# Altium PCB RockerBox_1_SiC780A_Rev02.PcbDoc (part 2 of 4)
Units mm, origin at the board's own origin, x right, y up, seen from the top; angles counter-clockwise.
Board outline 100 x 100 mm, 4 copper layers (L1, L2, L3, L4), stack 1.577 mm thick; 392 components, 96 nets, 1494 pads, 1617 vias.
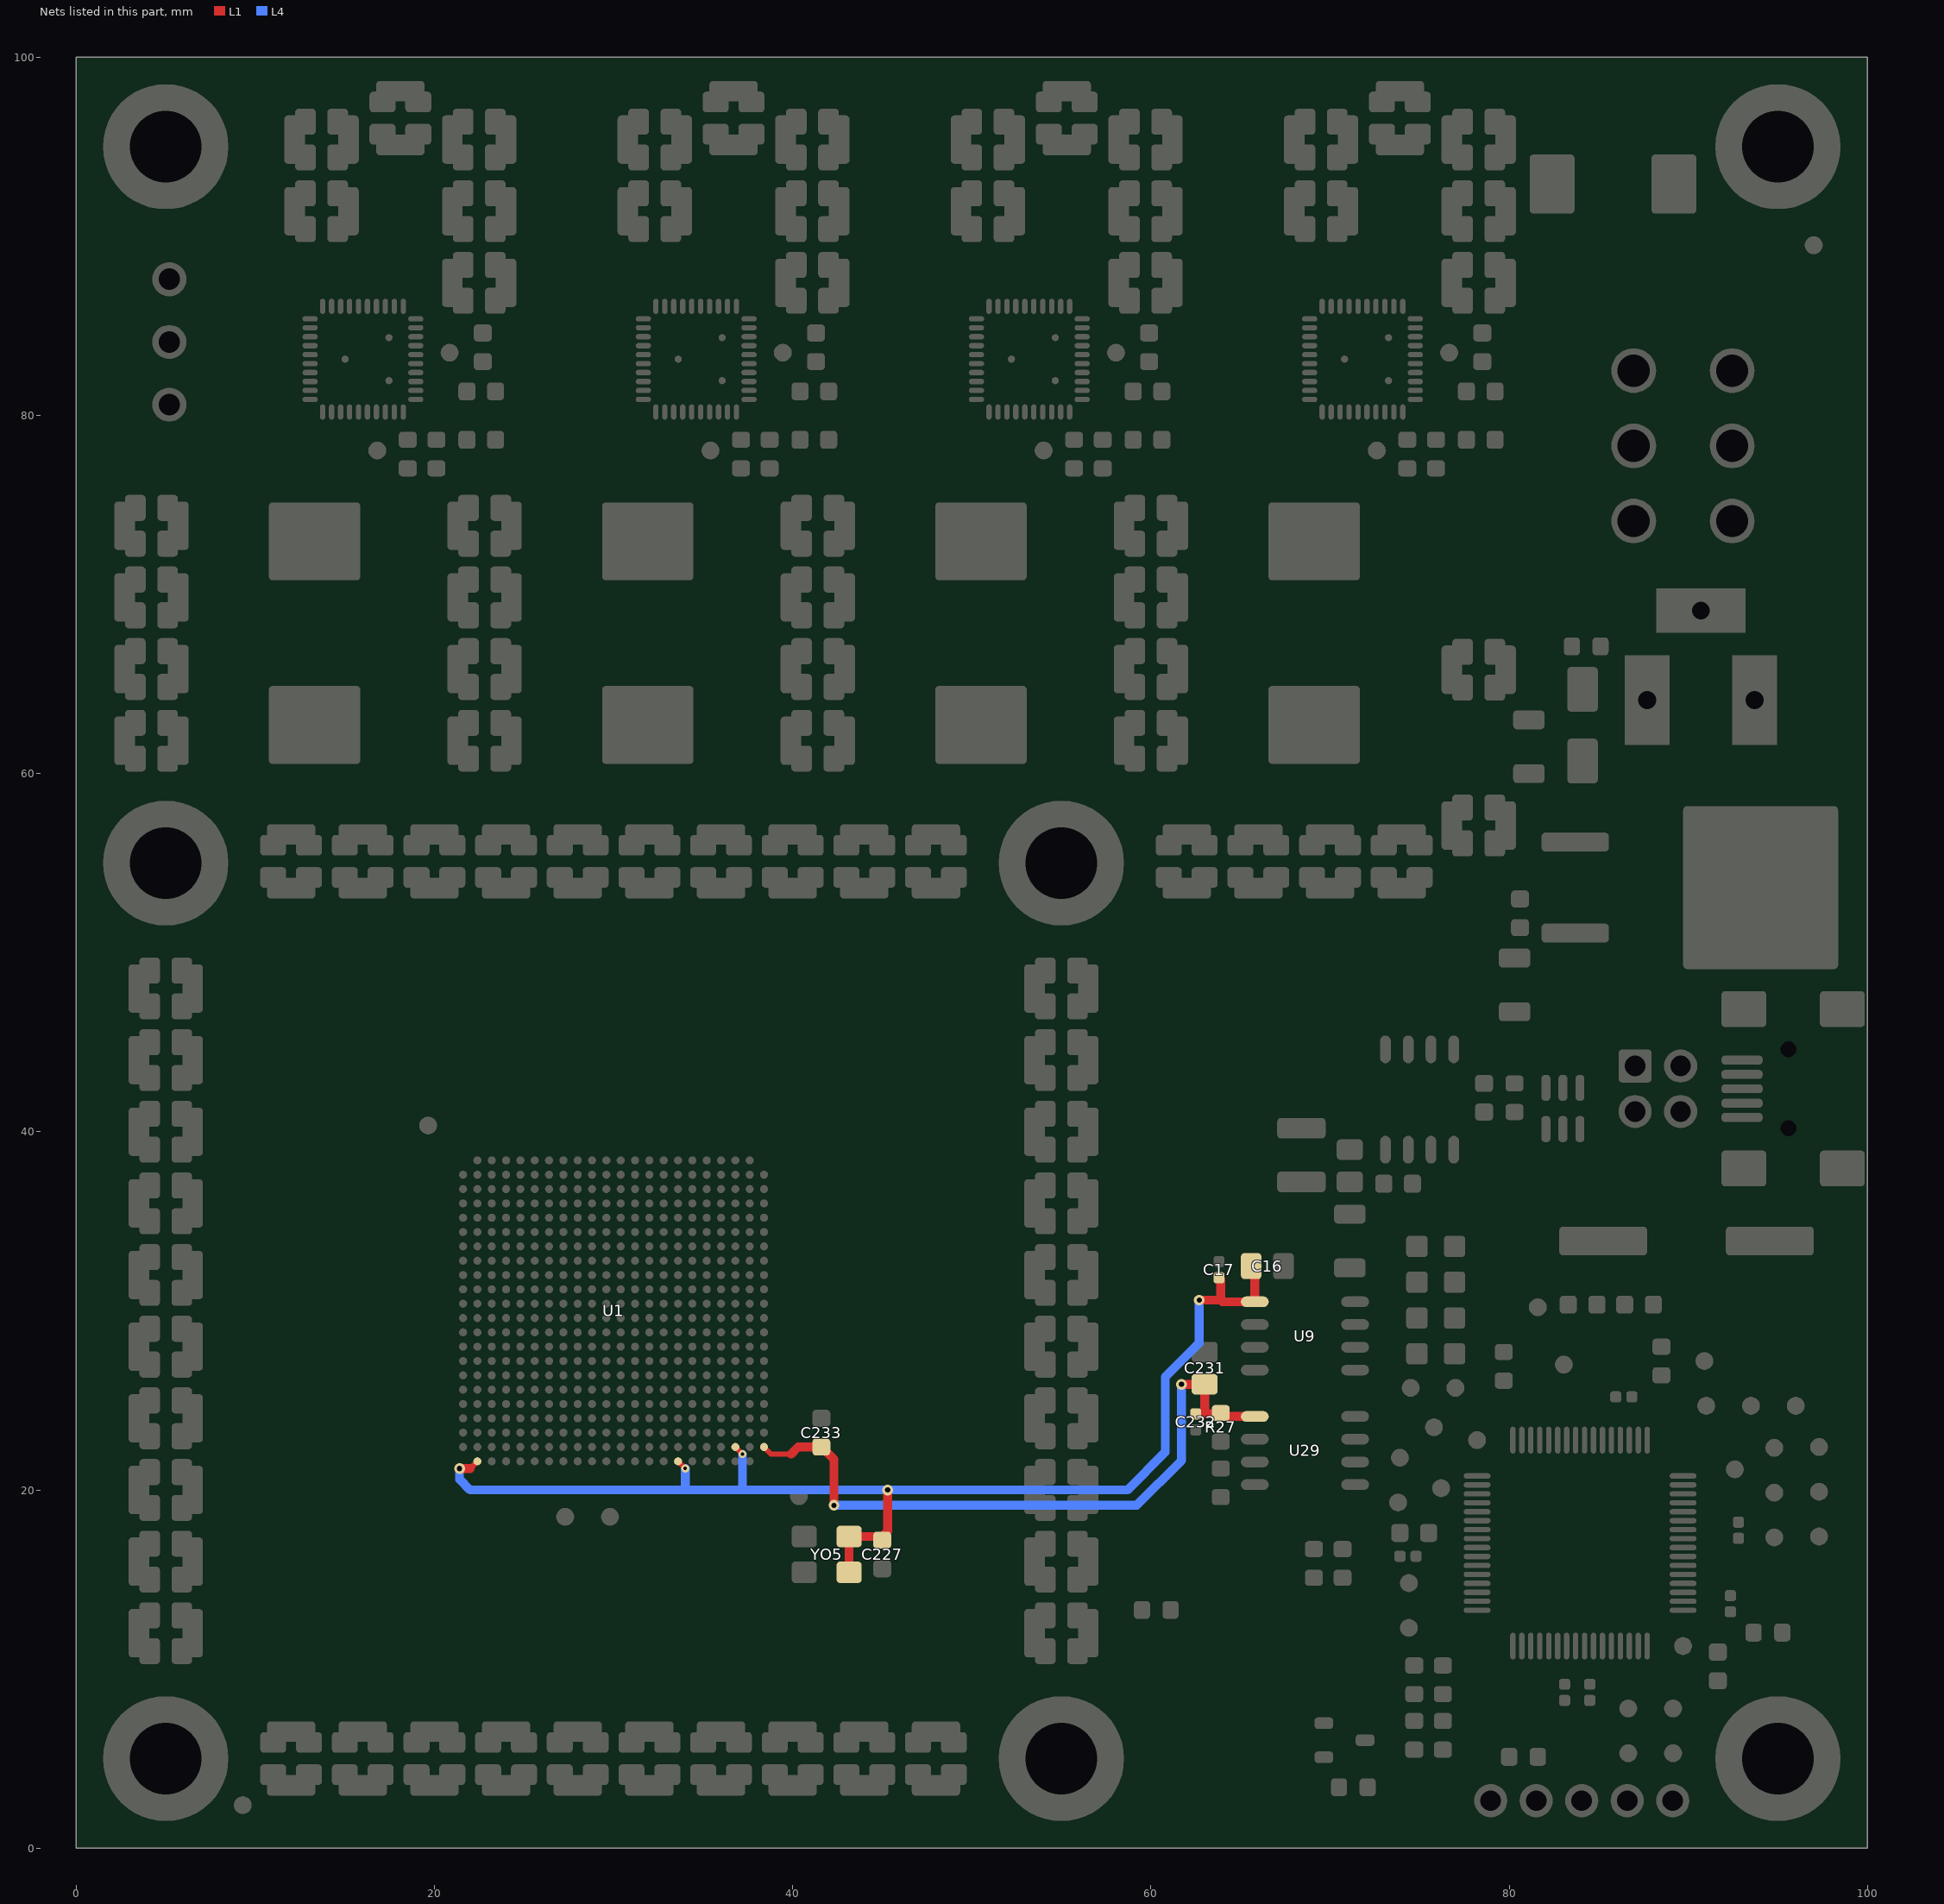
[diagram p4: the nets of this part, all layers, seen from the top]

## Components (designator, comment, footprint, x,y, rotation, side; value= is the part's Value field where it differs from the comment) (continued)
L7 "DB_VALUE" SMT_INDM135130X800N 69.111,67.84 r270 top
L10 "DB_VALUE" SMT_INDM135130X800N 13.311,67.84 r270 top
L14 "DB_VALUE" SMT_INDM135130X800N 31.911,67.84 r270 top
Q51 "BSS138" SMD_SOT23_SOT95P240X112-3N 70.806,6.028 r0 top
R1 "10k" SMD_0603_RESC1608X55N 80.8,5.1 r0 top
R2 "10k" SMD_0603_RESC1608X55N 18.511,77.84 r270 top
R3 "100R" SMD_0603_RESC1608X55N 20.111,77.84 r90 top
R4 "10k" SMD_0603_RESC1608X55N 84.3,67.1 r180 top
R5 "2.4k" SMD_0603_RESC1608X55N 94.446,12.036 r180 top
R6 "10k" SMD_0603_RESC1608X55N 60.3,13.3 r180 top
R7 "1k" SMD_0603_RESC1608X55N 76.3,6.3 r270 top
R8 "1k" SMD_0603_RESC1608X55N 74.7,6.3 r270 top
R9 "10k" SMD_0603_RESC1608X55N 79.7,26.9 r90 top
R10 "R" SMD_0603_RESC1608X55N 88.5,27.2 r90 top
R11 "0R" SMD_0603_RESC1608X55N 80.3,41.9 r270 top
R12 "2R" SMD_1206_RESC3216X65N 80.3,48.2 r270 top
R13 "100R" SMD_1206_RESC3216X65N 81.1,61.5 r90 top
R14 "0R" SMD_1206_RESC3216X65N 71.1,33.9 r90 top
R15 "10k" SMD_0603_RESC1608X55N 55.711,77.84 r270 top
R16 "100R" SMD_0603_RESC1608X55N 57.311,77.84 r90 top
R17 "10k" SMD_0603_RESC1608X55N 37.111,77.84 r270 top
R18 "1k" SMD_0603_RESC1608X55N 71.3,3.4 r0 top
R19 "100R" SMD_0603_RESC1608X55N 38.711,77.84 r90 top
R20 "1k" SMD_0603_RESC1608X55N 76.3,9.4 r90 top
R21 "1k" SMD_0603_RESC1608X55N 70.7,15.9 r270 top
R22 "1k" SMD_0603_RESC1608X55N 74.7,9.4 r90 top
R23 "10k" SMD_0603_RESC1608X55N 74.311,77.84 r270 top
R24 "100R" SMD_0603_RESC1608X55N 75.911,77.84 r90 top
R27 "2k" SMD_0603_RESC1608X55N 63.9,23.5 r270 top
R28 "10k" SMD_0603_RESC1608X55N 63.9,20.4 r270 top
R29 "1k" SMD_0603_RESC1608X55N 69.1,15.9 r270 top
TP1 "100_254" SMD_TP_100-254 29.8,18.5 r0 top
TP2 "100_254" SMD_TP_100-254 97.3,22.4 r180 top
TP3 "100_254" SMD_TP_100-254 86.65,5.3 r0 top
TP4 "100_254" SMD_TP_100-254 20.85,83.5 r180 top
TP5 "100_254" SMD_TP_100-254 86.65,7.8 r0 top
TP6 "100_254" SMD_TP_100-254 89.15,5.3 r0 top
TP7 "100_254" SMD_TP_100-254 89.15,7.8 r0 top
TP8 "100_254" SMD_TP_100-254 58.05,83.5 r180 top
TP9 "100_254" SMD_TP_100-254 16.811,78.04 r0 top
TP10 "100_254" SMD_TP_100-254 97.3,17.4 r0 top
TP11 "100_254" SMD_TP_100-254 94.8,17.35 r0 top
TP12 "100_254" SMD_TP_100-254 81.6,30.2 r180 top
TP13 "100_254" SMD_TP_100-254 83.05,27 r180 top
TP14 "100_254" SMD_TP_100-254 27.3,18.5 r0 top
TP15 "100_254" SMD_TP_100-254 54.011,78.04 r0 top
TP16 "100_254" SMD_TP_100-254 39.45,83.5 r180 top
TP17 "100_254" SMD_TP_100-254 76.65,83.5 r180 top
TP18 "100_254" SMD_TP_100-254 73.8,19.3 r0 top
TP19 "100_254" SMD_TP_100-254 76.2,20.1 r0 top
TP20 "100_254" SMD_TP_100-254 77,25.7 r0 top
TP21 "100_254" SMD_TP_100-254 90.9,27.2 r180 top
TP22 "100_254" SMD_TP_100-254 74.5,25.7 r180 top
TP23 "100_254" SMD_TP_100-254 75.8,23.5 r180 top
TP25 "100_254" SMD_TP_100-254 73.9,21.8 r0 top
TP26 "100_254" SMD_TP_100-254 35.411,78.04 r0 top
TP27 "100_254" SMD_TP_100-254 72.611,78.04 r0 top
TP123 "100_254" SMD_TP_100-254 94.8,22.35 r0 top
TP124 "100_254" SMD_TP_100-254 92.6,21.15 r0 top
TP125 "100_254" SMD_TP_100-254 96,24.7 r0 top
TP126 "100_254" SMD_TP_100-254 93.5,24.7 r0 top
TP127 "100_254" SMD_TP_100-254 91,24.7 r0 top
TP128 "100_254" SMD_TP_100-254 74.4,12.3 r0 top
TP129 "100_254" SMD_TP_100-254 74.4,14.8 r0 top
TP131 "100_254" SMD_TP_100-254 97.3,19.9 r0 top
TP132 "100_254" SMD_TP_100-254 94.8,19.85 r0 top
U1 "IC_RockerBox" SMD_BGA480C80P22X22 30,30 r270 top
U6 "BD33KA5WF-E2" SMD_SOIC127P620X160-8N 75,41.8 r90 top
U7 "L7805CD2T-TR" SMD_TO254P1542X460-3_4N 90.089,53.633 r0 top
U9 "BD18KA5WF-E2" SMD_SOIC127P620X160-8N 68.6,28.6 r0 top
U10 "dsPIC33EP256MU806" SMD_QFP50P1200X1200X120-64N 83.958,17.033 r90 top
U13 "DB_VALUE" SMD_QFN50P600X600X80-43 53.211,83.14 r180 top
U17 "DB_VALUE" SMD_QFN50P600X600X80-43 71.811,83.14 r180 top
U20 "DB_VALUE" SMD_QFN50P600X600X80-43 16.011,83.14 r180 top
U24 "DB_VALUE" SMD_QFN50P600X600X80-43 34.611,83.14 r180 top
U29 "BD00KA5WF-E2" SMD_SOIC127P620X160-8N 68.6,22.2 r0 top
Y1 "4.00MHz HC49/4HSMX" SMD_HC49_XTAL1140X480X420N 89.9,33.9 r180 top
YO5 "" SMD_OSCCF250X320X90-4N 41.9,16.4 r270 top

## Footprints (in the part's own frame and the unit in brackets; to place one, negate y for a bottom-side part, rotate by r counter-clockwise, add the part's x,y. Pads: shape width x height; smd on the part's side, far side on the other; paste and mask are expansions set on the pad)
FID100X200 [mm]
  round 1 smd paste-0.5 mask+0.5: 1(0,0)
  L1 keep-out region: 1.05,0 0.969,0.406 0.74,0.749 0.396,0.979 -0.01,1.06 -0.01,1.06 -0.415,0.979 -0.759,0.749 -0.989,0.406 -1.069,0 -1.069,0 -0.989,-0.406 -0.759,-0.749 -0.415,-0.979 -0.01,-1.06 -0.01,-1.06 0.396,-0.979 0.74,-0.749 0.969,-0.406 1.05,0
PTH_CON_HD-351-3P [mm]
  round 1.9 hole 1.2 mask+0.075: 1(-3.5,0) 2(0,0) 3(3.5,0)
  silkscreen extent -5.3,0.95 5.3,3.8, body extent -5.25,-3.75 5.25,3.75, height 8.7
PTH_CON_WR-MRC4-6P_S [mm]
  round 2.5 hole 1.8 mask+0.075: 1(-4.2,2.75) 2(0,2.75) 3(4.2,2.75) 4(-4.2,-2.75) 5(0,-2.75) 6(4.2,-2.75)
  silkscreen extent -7.1,-1.5 7.1,4.85, body extent -7.25,-6.3 6.95,4.8, height 12.8
PTH_DC-POWER-JACK_210-112 [mm]
  rect 2.5x5 hole 1 slot 3.4 at 90 deg mask+0.075: 1(3,0)
  rect 5x2.5 hole 1 slot 2.5 at 0 deg mask+0.075: 2(0,-5)
  rect 2.5x5 hole 1 slot 2.7 at 90 deg mask+0.075: 3(-3,0)
  silkscreen extent -11.2,-6.69 4.67,4.79, body extent -10.66,-5.3 3.84,4.5, height 11
PTH_HDRV05W64P254_1X05 [mm]
  round 1.85 hole 1.15 mask+0.075: 1(-5.08,0) 2(-2.54,0) 3(0,0) 4(2.54,0) 5(5.08,0)
  silkscreen extent -6.35,-1.25 6.35,1.25, body extent -6.35,-1.25 6.35,1.25, height 8
PTH_HDRV40W6240P254_2X02_M [mm]
  rrect22% 1.85x1.85 / inner round 1.85 / far side rrect22% 1.85x1.85 hole 1.15 mask+0.075: 1(-1.27,-1.27)
  round 1.85 hole 1.15 mask+0.075: 2(-1.27,1.27) 3(1.27,-1.27) 4(1.27,1.27)
  silkscreen extent -2.5,-2.55 2.5,2.55, body extent -2.54,-2.54 2.54,2.54, height 8.5
PTH_MTG400_700 [mm]
  round 7 / inner round 5 / far side round 7 hole 4 mask+0.075: 1(0,0)
  silkscreen extent -3.85,-3.85 3.85,3.85
SMD_0402_CAPC1005X55N [mm]
  rrect48% 0.62x0.62 smd mask+0.075: 1(-0.45,0) 2(0.45,0)
  body extent -0.5,-0.25 0.5,0.25, height 0.55
SMD_0603_CAPC1608X95N [mm]
  rrect42% 0.95x1 smd mask+0.075: 1(-0.8,0) 2(0.8,0)
  body extent -0.8,-0.4 0.8,0.4, height 0.95
SMD_0603_RESC1608X55N [mm]
  rrect44% 0.9x1 smd mask+0.075: 1(-0.8,0) 2(0.8,0)
  body extent -0.8,-0.4 0.8,0.4, height 0.55
SMD_0805_CAPC2012X145N [mm]
  rrect35% 1.15x1.45 smd mask+0.075: 1(-0.9,0) 2(0.9,0)
  body extent -1,-0.6 1,0.6, height 1.45
SMD_0805_LED2012X100N [mm]
  rrect33% 1.2x1.2 smd mask+0.075: 1(-1.05,0) 2(1.05,0)
  body extent -1,-0.62 1,0.63, height 0.98
SMD_1206_RESC3216X65N [mm]
  rrect38% 1.05x1.75 smd mask+0.075: 1(-1.5,0) 2(1.5,0)
  silkscreen extent -0.65,-0.85 0.65,0.85, body extent -1.6,-0.8 1.6,0.8, height 0.65
SMD_1210_CAPC3225X270N [mm]
  rrect35% 1.15x2.7 smd mask+0.075: 1(-1.5,0) 2(1.5,0)
  silkscreen extent -0.6,-1.35 0.6,1.35, body extent -1.6,-1.25 1.6,1.25, height 2.7
SMD_1210_CAPC3225X279N [mm]
  rrect35% 1.15x2.7 smd mask+0.075: 1(-1.5,0) 2(1.5,0)
  silkscreen extent -0.6,-1.35 0.6,1.35, body extent -1.6,-1.25 1.6,1.25, height 2.79
SMD_BGA480C80P22X22 [mm]
  round 0.45 smd: A2(-7.6,8.4) A3(-6.8,8.4) A4(-6,8.4) A5(-5.2,8.4) A6(-4.4,8.4) A7(-3.6,8.4) A8(-2.8,8.4) A9(-2,8.4) A10(-1.2,8.4) A11(-0.4,8.4) A12(0.4,8.4) A13(1.2,8.4) A14(2,8.4) A15(2.8,8.4) A16(3.6,8.4) A17(4.4,8.4) A18(5.2,8.4) A19(6,8.4) A20(6.8,8.4) A21(7.6,8.4) AA1(-8.4,-7.6) AA2(-7.6,-7.6) AA3(-6.8,-7.6) AA4(-6,-7.6) AA5(-5.2,-7.6) AA6(-4.4,-7.6) AA7(-3.6,-7.6) AA8(-2.8,-7.6) AA9(-2,-7.6) AA10(-1.2,-7.6) AA11(-0.4,-7.6) AA12(0.4,-7.6) AA13(1.2,-7.6) AA14(2,-7.6) AA15(2.8,-7.6) AA16(3.6,-7.6) AA17(4.4,-7.6) AA18(5.2,-7.6) AA19(6,-7.6) AA20(6.8,-7.6) AA21(7.6,-7.6) AA22(8.4,-7.6) AB2(-7.6,-8.4) AB3(-6.8,-8.4) AB4(-6,-8.4) AB5(-5.2,-8.4) AB6(-4.4,-8.4) AB7(-3.6,-8.4) AB8(-2.8,-8.4) AB9(-2,-8.4) AB10(-1.2,-8.4) AB11(-0.4,-8.4) AB12(0.4,-8.4) AB13(1.2,-8.4) AB14(2,-8.4) AB15(2.8,-8.4) AB16(3.6,-8.4) AB17(4.4,-8.4) AB18(5.2,-8.4) AB19(6,-8.4) AB20(6.8,-8.4) AB21(7.6,-8.4) B1(-8.4,7.6) B2(-7.6,7.6) B3(-6.8,7.6) B4(-6,7.6) B5(-5.2,7.6) B6(-4.4,7.6) B7(-3.6,7.6) B8(-2.8,7.6) B9(-2,7.6) B10(-1.2,7.6) B11(-0.4,7.6) B12(0.4,7.6) B13(1.2,7.6) B14(2,7.6) B15(2.8,7.6) B16(3.6,7.6) B17(4.4,7.6) B18(5.2,7.6) B19(6,7.6) B20(6.8,7.6) B21(7.6,7.6) B22(8.4,7.6) C1(-8.4,6.8) C2(-7.6,6.8) C3(-6.8,6.8) C4(-6,6.8) C5(-5.2,6.8) C6(-4.4,6.8) C7(-3.6,6.8) C8(-2.8,6.8) C9(-2,6.8) C10(-1.2,6.8) C11(-0.4,6.8) C12(0.4,6.8) C13(1.2,6.8) C14(2,6.8) C15(2.8,6.8) C16(3.6,6.8) C17(4.4,6.8) C18(5.2,6.8) C19(6,6.8) C20(6.8,6.8) C21(7.6,6.8) C22(8.4,6.8) D1(-8.4,6) D2(-7.6,6) D3(-6.8,6) D4(-6,6) D5(-5.2,6) D6(-4.4,6) D7(-3.6,6) D8(-2.8,6) D9(-2,6) D10(-1.2,6) D11(-0.4,6) D12(0.4,6) D13(1.2,6) D14(2,6) D15(2.8,6) D16(3.6,6) D17(4.4,6) D18(5.2,6) D19(6,6) D20(6.8,6) D21(7.6,6) D22(8.4,6) E1(-8.4,5.2) E2(-7.6,5.2) E3(-6.8,5.2) E4(-6,5.2) E5(-5.2,5.2) E6(-4.4,5.2) E7(-3.6,5.2) E8(-2.8,5.2) E9(-2,5.2) E10(-1.2,5.2) E11(-0.4,5.2) E12(0.4,5.2) E13(1.2,5.2) E14(2,5.2) E15(2.8,5.2) E16(3.6,5.2) E17(4.4,5.2) E18(5.2,5.2) E19(6,5.2) E20(6.8,5.2) E21(7.6,5.2) E22(8.4,5.2) F1(-8.4,4.4) F2(-7.6,4.4) F3(-6.8,4.4) F4(-6,4.4) F5(-5.2,4.4) F6(-4.4,4.4) F7(-3.6,4.4) F8(-2.8,4.4) F9(-2,4.4) F10(-1.2,4.4) F11(-0.4,4.4) F12(0.4,4.4) F13(1.2,4.4) F14(2,4.4) F15(2.8,4.4) F16(3.6,4.4) F17(4.4,4.4) F18(5.2,4.4) F19(6,4.4) F20(6.8,4.4) F21(7.6,4.4) F22(8.4,4.4) G1(-8.4,3.6) G2(-7.6,3.6) G3(-6.8,3.6) G4(-6,3.6) G5(-5.2,3.6) G6(-4.4,3.6) G7(-3.6,3.6) G8(-2.8,3.6) G9(-2,3.6) G10(-1.2,3.6) G11(-0.4,3.6) G12(0.4,3.6) G13(1.2,3.6) G14(2,3.6) G15(2.8,3.6) G16(3.6,3.6) G17(4.4,3.6) G18(5.2,3.6) G19(6,3.6) G20(6.8,3.6) G21(7.6,3.6) G22(8.4,3.6) H1(-8.4,2.8) H2(-7.6,2.8) H3(-6.8,2.8) H4(-6,2.8) H5(-5.2,2.8) H6(-4.4,2.8) H7(-3.6,2.8) H8(-2.8,2.8) H9(-2,2.8) H10(-1.2,2.8) H11(-0.4,2.8) H12(0.4,2.8) H13(1.2,2.8) H14(2,2.8) H15(2.8,2.8) H16(3.6,2.8) H17(4.4,2.8) H18(5.2,2.8) H19(6,2.8) H20(6.8,2.8) H21(7.6,2.8) H22(8.4,2.8) J1(-8.4,2) J2(-7.6,2) J3(-6.8,2) J4(-6,2) J5(-5.2,2) J6(-4.4,2) J7(-3.6,2) J8(-2.8,2) J9(-2,2) J10(-1.2,2) J11(-0.4,2) J12(0.4,2) J13(1.2,2) J14(2,2) J15(2.8,2) J16(3.6,2) J17(4.4,2) J18(5.2,2) J19(6,2) J20(6.8,2) J21(7.6,2) J22(8.4,2) K1(-8.4,1.2) K2(-7.6,1.2) K3(-6.8,1.2) K4(-6,1.2) K5(-5.2,1.2) K6(-4.4,1.2) K7(-3.6,1.2) K8(-2.8,1.2) K9(-2,1.2) K10(-1.2,1.2) K11(-0.4,1.2) K12(0.4,1.2) K13(1.2,1.2) K14(2,1.2) K15(2.8,1.2) K16(3.6,1.2) K17(4.4,1.2) K18(5.2,1.2) K19(6,1.2) K20(6.8,1.2) K21(7.6,1.2) K22(8.4,1.2) L1(-8.4,0.4) L2(-7.6,0.4) L3(-6.8,0.4) L4(-6,0.4) L5(-5.2,0.4) L6(-4.4,0.4) L7(-3.6,0.4) L8(-2.8,0.4) L9(-2,0.4) L10(-1.2,0.4) L11(-0.4,0.4) L12(0.4,0.4) L13(1.2,0.4) L14(2,0.4) L15(2.8,0.4) L16(3.6,0.4) L17(4.4,0.4) L18(5.2,0.4) L19(6,0.4) L20(6.8,0.4) L21(7.6,0.4) L22(8.4,0.4) M1(-8.4,-0.4) M2(-7.6,-0.4) M3(-6.8,-0.4) M4(-6,-0.4) M5(-5.2,-0.4) M6(-4.4,-0.4) M7(-3.6,-0.4) M8(-2.8,-0.4) M9(-2,-0.4) M10(-1.2,-0.4) M11(-0.4,-0.4) M12(0.4,-0.4) M13(1.2,-0.4) M14(2,-0.4) M15(2.8,-0.4) M16(3.6,-0.4) M17(4.4,-0.4) M18(5.2,-0.4) M19(6,-0.4) M20(6.8,-0.4) M21(7.6,-0.4) M22(8.4,-0.4) N1(-8.4,-1.2) N2(-7.6,-1.2) N3(-6.8,-1.2) N4(-6,-1.2) N5(-5.2,-1.2) N6(-4.4,-1.2) N7(-3.6,-1.2) N8(-2.8,-1.2) N9(-2,-1.2) N10(-1.2,-1.2) N11(-0.4,-1.2) N12(0.4,-1.2) N13(1.2,-1.2) N14(2,-1.2) N15(2.8,-1.2) N16(3.6,-1.2) N17(4.4,-1.2) N18(5.2,-1.2) N19(6,-1.2) N20(6.8,-1.2) N21(7.6,-1.2) N22(8.4,-1.2) P1(-8.4,-2) P2(-7.6,-2) P3(-6.8,-2) P4(-6,-2) P5(-5.2,-2) P6(-4.4,-2) P7(-3.6,-2) P8(-2.8,-2) P9(-2,-2) P10(-1.2,-2) P11(-0.4,-2) P12(0.4,-2) P13(1.2,-2) P14(2,-2) P15(2.8,-2) P16(3.6,-2) P17(4.4,-2) P18(5.2,-2) P19(6,-2) P20(6.8,-2) P21(7.6,-2) P22(8.4,-2) R1(-8.4,-2.8) R2(-7.6,-2.8) R3(-6.8,-2.8) R4(-6,-2.8) R5(-5.2,-2.8) R6(-4.4,-2.8) R7(-3.6,-2.8) R8(-2.8,-2.8) R9(-2,-2.8) R10(-1.2,-2.8) R11(-0.4,-2.8) R12(0.4,-2.8) R13(1.2,-2.8) R14(2,-2.8) R15(2.8,-2.8) R16(3.6,-2.8) R17(4.4,-2.8) R18(5.2,-2.8) R19(6,-2.8) R20(6.8,-2.8) R21(7.6,-2.8) R22(8.4,-2.8) T1(-8.4,-3.6) T2(-7.6,-3.6) T3(-6.8,-3.6) T4(-6,-3.6) T5(-5.2,-3.6) T6(-4.4,-3.6) T7(-3.6,-3.6) T8(-2.8,-3.6) T9(-2,-3.6) T10(-1.2,-3.6) T11(-0.4,-3.6) T12(0.4,-3.6) T13(1.2,-3.6) T14(2,-3.6) T15(2.8,-3.6) T16(3.6,-3.6) T17(4.4,-3.6) T18(5.2,-3.6) T19(6,-3.6) T20(6.8,-3.6) T21(7.6,-3.6) T22(8.4,-3.6) U1(-8.4,-4.4) U2(-7.6,-4.4) U3(-6.8,-4.4) U4(-6,-4.4) U5(-5.2,-4.4) U6(-4.4,-4.4) U7(-3.6,-4.4) U8(-2.8,-4.4) U9(-2,-4.4) U10(-1.2,-4.4) U11(-0.4,-4.4) U12(0.4,-4.4) U13(1.2,-4.4) U14(2,-4.4) U15(2.8,-4.4) U16(3.6,-4.4) U17(4.4,-4.4) U18(5.2,-4.4) U19(6,-4.4) U20(6.8,-4.4) U21(7.6,-4.4) U22(8.4,-4.4) V1(-8.4,-5.2) V2(-7.6,-5.2) V3(-6.8,-5.2) V4(-6,-5.2) V5(-5.2,-5.2) V6(-4.4,-5.2) V7(-3.6,-5.2) V8(-2.8,-5.2) V9(-2,-5.2) V10(-1.2,-5.2) V11(-0.4,-5.2) V12(0.4,-5.2) V13(1.2,-5.2) V14(2,-5.2) V15(2.8,-5.2) V16(3.6,-5.2) V17(4.4,-5.2) V18(5.2,-5.2) V19(6,-5.2) V20(6.8,-5.2) V21(7.6,-5.2) V22(8.4,-5.2) W1(-8.4,-6) W2(-7.6,-6) W3(-6.8,-6) W4(-6,-6) W5(-5.2,-6) W6(-4.4,-6) W7(-3.6,-6) W8(-2.8,-6) W9(-2,-6) W10(-1.2,-6) W11(-0.4,-6) W12(0.4,-6) W13(1.2,-6) W14(2,-6) W15(2.8,-6) W16(3.6,-6) W17(4.4,-6) W18(5.2,-6) W19(6,-6) W20(6.8,-6) W21(7.6,-6) W22(8.4,-6) Y1(-8.4,-6.8) Y2(-7.6,-6.8) Y3(-6.8,-6.8) Y4(-6,-6.8) Y5(-5.2,-6.8) Y6(-4.4,-6.8) Y7(-3.6,-6.8) Y8(-2.8,-6.8) Y9(-2,-6.8) Y10(-1.2,-6.8) Y11(-0.4,-6.8) Y12(0.4,-6.8) Y13(1.2,-6.8) Y14(2,-6.8) Y15(2.8,-6.8) Y16(3.6,-6.8) Y17(4.4,-6.8) Y18(5.2,-6.8) Y19(6,-6.8) Y20(6.8,-6.8) Y21(7.6,-6.8) Y22(8.4,-6.8)
  round 1 smd mask+0.5: FID1(-10.35,-10.35) FID2(10.35,10.35)
  L1 keep-out region: -9.35,-10.35 -9.426,-9.967 -9.643,-9.643 -9.967,-9.426 -10.35,-9.35 -10.35,-9.35 -10.733,-9.426 -11.057,-9.643 -11.274,-9.967 -11.35,-10.35 -11.35,-10.35 -11.274,-10.733 -11.057,-11.057 -10.733,-11.274 -10.35,-11.35 -10.35,-11.35 -9.967,-11.274 -9.643,-11.057 -9.426,-10.733 -9.35,-10.35
  L1 keep-out region: 11.35,10.35 11.274,10.733 11.057,11.057 10.733,11.274 10.35,11.35 10.35,11.35 9.967,11.274 9.643,11.057 9.426,10.733 9.35,10.35 9.35,10.35 9.426,9.967 9.643,9.643 9.967,9.426 10.35,9.35 10.35,9.35 10.733,9.426 11.057,9.643 11.274,9.967 11.35,10.35
  silkscreen extent -10.22,-9.5 9.5,9.5, body extent -9.5,-9.5 9.5,9.5, height 2.59
SMD_CON-CVILUX-CU04-SCM15B0 [mm]
  rrect80% 0.5x2.3 smd mask+0.075: 1(-1.6,2.6) 2(-0.8,2.6) 3(0,2.6) 4(0.8,2.6) 5(1.6,2.6)
  rrect20% 2x2.5 smd mask+0.075: 6(4.45,2.5) 7(4.45,-3) 8(-4.45,-3) 9(-4.45,2.5)
  round 0.5 hole 0.9 unplated mask+0.275: 10(-2.2,0) 11(2.2,0)
  silkscreen extent -3.85,-4.7 3.85,4.15, body extent -4.95,-5.9 4.95,3.1, height 3.95
SMD_DO214AC_SMA [mm]
  rrect24% 2.5x1.7 smd mask+0.075: 1(-2,0) 2(2,0)
  silkscreen extent -3.25,-1.45 2.3,1.45, body extent -2.64,-1.39 2.64,1.4, height 2.29
SMD_DO214AC_SMC [mm]
  rrect16% 2.5x3.3 smd mask+0.075: 1(-3.4,0) 2(3.4,0)
  silkscreen extent -4.5,-3.1 3.55,3.1, body extent -4.06,-3.11 4.07,3.11, height 2.62
SMD_HC49_XTAL1140X480X420N [mm]
  rrect25% 4.9x1.6 smd mask+0.075: 1(-4.65,0) 2(4.65,0)
  silkscreen extent -5.7,-2.35 5.7,2.35, body extent -6.5,-2.4 6.5,2.4, height 4.2
SMD_OSCCF250X320X90-4N [mm]
  rrect33% 1.2x1.4 smd mask+0.075: 1(-1,1.25) 2(-1,-1.25) 3(1,-1.25) 4(1,1.25)
  silkscreen extent -2.22,1.13 -1.98,1.38, body extent -1.32,-1.67 1.32,1.67, height 0.9
SMD_QFN50P600X600X80-43 [mm]
  oval 0.85x0.3 smd mask+0.05: 1(-2.95,2.25) 2(-2.95,1.75) 3(-2.95,1.25) 4(-2.95,0.75) 5(-2.95,0.25) 6(-2.95,-0.25) 7(-2.95,-0.75) 8(-2.95,-1.25) 9(-2.95,-1.75) 10(-2.95,-2.25) 21(2.95,-2.25) 22(2.95,-1.75) 23(2.95,-1.25) 24(2.95,-0.75) 25(2.95,-0.25) 26(2.95,0.25) 27(2.95,0.75) 28(2.95,1.25) 29(2.95,1.75) 30(2.95,2.25)
  oval 0.3x0.85 smd mask+0.05: 11(-2.25,-2.95) 12(-1.75,-2.95) 13(-1.25,-2.95) 14(-0.75,-2.95) 15(-0.25,-2.95) 16(0.25,-2.95) 17(0.75,-2.95) 18(1.25,-2.95) 19(1.75,-2.95) 20(2.25,-2.95) 31(2.25,2.95) 32(1.75,2.95) 33(1.25,2.95) 34(0.75,2.95) 35(0.25,2.95) 36(-0.25,2.95) 37(-0.75,2.95) 38(-1.25,2.95) 39(-1.75,2.95) 40(-2.25,2.95)
  round 0.4 smd: 41(-1.45,1.2) 42(-1.45,-1.2)
  round 0.4 smd paste-0.4: 43(1,0)
  L1 region: -2.225,2.025 -2.025,2.225 -0.9,2.226 -0.843,2.215 -0.781,2.174 -0.74,2.112 -0.726,2.04 -0.729,2.025 -0.73,2.025 -0.729,0.35 -0.739,0.297 -0.774,0.244 -0.827,0.209 -0.89,0.197 -0.9,0.199 -0.9,0.2 -2.025,0.2 -2.05,0.195 -2.119,0.209 -2.177,0.248 -2.217,0.306 -2.225,0.35 -2.225,0.35 -2.225,2.025
  L1 region: -2.23,-1.969 -2.21,-2.069 -2.154,-2.154 -2.069,-2.21 -1.969,-2.23 -1.969,-2.225 -0.9,-2.226 -0.843,-2.215 -0.781,-2.174 -0.74,-2.112 -0.726,-2.04 -0.729,-2.025 -0.73,-2.025 -0.729,-0.35 -0.739,-0.297 -0.774,-0.244 -0.827,-0.209 -0.89,-0.197 -0.9,-0.199 -0.9,-0.2 -2.025,-0.2 -2.05,-0.195 -2.119,-0.209 -2.177,-0.248 -2.217,-0.306 -2.225,-0.35 -2.225,-0.35 -2.225,-1.969
  L1 region: -0.21,-2.025 -0.21,2.225 2.025,2.229 2.103,2.213 2.169,2.169 2.213,2.103 2.229,2.025 2.225,2.025 2.229,-2.025 2.213,-2.103 2.169,-2.169 2.103,-2.213 2.025,-2.229 2.025,-2.225 0,-2.228 -0.005,-2.229 -0.085,-2.213 -0.153,-2.168 -0.198,-2.1 -0.213,-2.025 -0.21,-2.025
  silkscreen extent -3.48,-3 3,3.47, body extent -3.02,-3.02 3.02,3.02, height 0.8
SMD_QFP50P1200X1200X120-64N [mm]
  oval 1.5x0.3 smd mask+0.05: 1(-5.75,3.75) 2(-5.75,3.25) 3(-5.75,2.75) 4(-5.75,2.25) 5(-5.75,1.75) 6(-5.75,1.25) 7(-5.75,0.75) 8(-5.75,0.25) 9(-5.75,-0.25) 10(-5.75,-0.75) 11(-5.75,-1.25) 12(-5.75,-1.75) 13(-5.75,-2.25) 14(-5.75,-2.75) 15(-5.75,-3.25) 16(-5.75,-3.75) 33(5.75,-3.75) 34(5.75,-3.25) 35(5.75,-2.75) 36(5.75,-2.25) 37(5.75,-1.75) 38(5.75,-1.25) 39(5.75,-0.75) 40(5.75,-0.25) 41(5.75,0.25) 42(5.75,0.75) 43(5.75,1.25) 44(5.75,1.75) 45(5.75,2.25) 46(5.75,2.75) 47(5.75,3.25) 48(5.75,3.75)
  oval 0.3x1.5 smd mask+0.05: 17(-3.75,-5.75) 18(-3.25,-5.75) 19(-2.75,-5.75) 20(-2.25,-5.75) 21(-1.75,-5.75) 22(-1.25,-5.75) 23(-0.75,-5.75) 24(-0.25,-5.75) 25(0.25,-5.75) 26(0.75,-5.75) 27(1.25,-5.75) 28(1.75,-5.75) 29(2.25,-5.75) 30(2.75,-5.75) 31(3.25,-5.75) 32(3.75,-5.75) 49(3.75,5.75) 50(3.25,5.75) 51(2.75,5.75) 52(2.25,5.75) 53(1.75,5.75) 54(1.25,5.75) 55(0.75,5.75) 56(0.25,5.75) 57(-0.25,5.75) 58(-0.75,5.75) 59(-1.25,5.75) 60(-1.75,5.75) 61(-2.25,5.75) 62(-2.75,5.75) 63(-3.25,5.75) 64(-3.75,5.75)
  round 1 smd paste-0.5 mask+0.5: 65(-5.75,-5.75) 66(5.75,5.75)
  L1 keep-out region: -4.75,-5.75 -4.826,-5.367 -5.043,-5.043 -5.367,-4.826 -5.75,-4.75 -5.75,-4.75 -6.133,-4.826 -6.457,-5.043 -6.674,-5.367 -6.75,-5.75 -6.75,-5.75 -6.674,-6.133 -6.457,-6.457 -6.133,-6.674 -5.75,-6.75 -5.75,-6.75 -5.367,-6.674 -5.043,-6.457 -4.826,-6.133 -4.75,-5.75
  L1 keep-out region: 6.75,5.75 6.674,6.133 6.457,6.457 6.133,6.674 5.75,6.75 5.75,6.75 5.367,6.674 5.043,6.457 4.826,6.133 4.75,5.75 4.75,5.75 4.826,5.367 5.043,5.043 5.367,4.826 5.75,4.75 5.75,4.75 6.133,4.826 6.457,5.043 6.674,5.367 6.75,5.75
  silkscreen extent -6.45,-5.15 5.15,5.15, body extent -6,-6 6,6, height 1.2
SMD_SOIC127P620X160-8N [mm]
  oval 1.55x0.6 smd mask+0.075: 1(-2.8,1.905) 2(-2.8,0.635) 3(-2.8,-0.635) 4(-2.8,-1.905) 5(2.8,-1.905) 6(2.8,-0.635) 7(2.8,0.635) 8(2.8,1.905)
  silkscreen extent -3.5,-2.55 2.05,2.55, body extent -3.1,-2.5 3.1,2.5, height 1.7
SMD_SOT23_SOT95P240X112-3N [mm]
  rrect62% 1.05x0.65 smd mask+0.075: 1(-1.15,0.95) 2(-1.15,-0.95) 3(1.15,0)
  silkscreen extent -1.7,-1.6 0.75,1.6, body extent -1.2,-1.45 1.2,1.45, height 1.2
SMD_SOT457_SOT95P275X110-6N [mm]
  rrect80% 1.45x0.5 smd mask+0.075: 1(-1.15,0.95) 2(-1.15,0) 3(-1.15,-0.95) 4(1.15,-0.95) 5(1.15,0) 6(1.15,0.95)
  silkscreen extent -1.9,-1.6 0.85,1.6, body extent -1.37,-1.45 1.38,1.45, height 1.1
SMD_TO254P1542X460-3_4N [mm]
  rrect38% 3.75x1.05 smd mask+0.075: 1(-6.4,2.54) 3(-6.4,-2.54)
  rrect5% 8.65x9.1 smd paste-4.55 mask+0.075: 4(3.95,0)
  silkscreen extent -8.12,-5.2 -2.45,5.2, body extent -7.65,-5.1 7.65,5.1, height 4.6
SMD_TP_100-254 [mm]
  round 1 smd paste-0.55 mask+0.075: 1(0,0)
  silkscreen extent -0.82,-0.82 0.82,0.82, body extent -0.5,-0.5 0.5,0.5, height 0.05
SMT_INDM135130X800N [mm]
  rrect9% 4.35x5.1 smd mask+0.075: 1(-5.125,0) 2(5.125,0)
  silkscreen extent -6.73,-6.48 6.73,6.48, body extent -6.26,-6.25 6.26,6.25, height 8

## Part data
C1 C14 C16 C18 C19 C36 C37 C38 C39 C40 C62 C63 C65 C66 C67 C74 C75 C76 C77 C78 C79 C80 C81 C90 C128 C130 C131 C138 C139 C141 C142 C144 C145 C147 C148 C149 C150 C151 C152 C153 C154 C155 C156 C157 C158 C159 C160 C161 C162 C163 C164 C165 C166 C168 C169 C170 C172 C173 C175 C176 C177 C178 C179 C180 C181 C182 C183 C184 C185 C186 C187 C188 C190 C191 C193 C194 C196 C197 C199 C200 C202 C203 C205 C206 C217 C218 C219 C220 C221 C222 C223 C224 C225 C226 C228 C229 C230 C231 C234 C235 C236 C263 C264 C265 C266 C268 C269 C271 C272 C274 C275 C331 C332 C333 C334 C652 C654 C655 C657 C658 C660 C661 C663 C664 C666 C667 C669: library part CAP000043686
C2 C12 C15 C22 C54 C85 C117: library part CAP000043646
C3: library part CAP000024113
C4 C5 C6 C7 C8 C9 C17 C232: library part CAP000022751
C10 C11: library part CAP000031922
C13 C132 C140 C143 C146 C167 C174 C189 C192 C195 C207 C208 C209 C210 C211 C212 C213 C214 C215 C216 C237 C238 C239 C240 C241 C242 C243 C244 C245 C246 C247 C248 C249 C250 C251 C252 C253 C254 C255 C256 C260 C261 C262 C267 C270 C273 C276 C375 C376 C377 C381 C382 C397 C398 C399 C400 C401 C653 C656 C659 C662 C665 C668: library part CAP000047355
C20 C21 C23 C24 C25 C49 C50 C51 C52 C68 C69 C70 C71 C91 C94 C95 C97 C98 C100 C106 C108 C109 C110 C111 C112 C113 C114 C115 C116 C118 C119 C120 C122 C123 C124 C126 C127 C378 C379 C380 C598 C600 C603 C606 C640 C642 C711 C814: library part CAP000043636
C26 C58 C89 C121: library part CAP000022706
C30 C93 C125 C257: library part CAP000022968
C41 C42 C43 C47 C92 C96 C99 C101 C102 C107 C133 C134 C258 C259 C373 C374 C404 C405 C406 C407 C596 C599 C602 C605: library part TMP-2512
C227 C233: library part CAP000028169
C347: library part CAP000043344
D1: library part OPT000000095
D2 D4: library part OPT000000096
D3: library part OPT000000092
D6: library part DDE000002846
D8: library part DDE000000580
D28: library part DDE000001725
FID1 FID2: library part FID000000001
J1: library part CON000000006
J2: library part CON000000048
J3: library part CON000000272
J4: library part CON000000298
J5: library part CON000000026
J9 J13 J14 J15 J22 J23 J24: library part MTH000000030
J12: library part CON000000279
L3 L7 L10 L14: library part L
Q51: library part TRA000001460
R1 R2 R4 R6 R9 R10 R15 R17 R23: library part RES000008663
R3 R16 R19 R24: library part RES000006398
R5: library part RES000006261
R7 R8 R18 R20 R21 R22 R29: library part RES000008858
R11: library part RES000008926
R12: library part RES000007051
R13: library part RES000006922
R14: library part RES000008756
R27: library part RES000006259
R28: library part RES000006276
TP1 TP2 TP3 TP4 TP5 TP6 TP7 TP8 TP9 TP10 TP11 TP12 TP13 TP14 TP15 TP16 TP17 TP18 TP19 TP20 TP21 TP22 TP23 TP25 TP26 TP27 TP123 TP124 TP125 TP126 TP127 TP128 TP129 TP131 TP132: library part TPO000000001
U6: library part PSU000000127
U7: library part PSU000000129
U9 U29: library part PSU000000128
U10: library part MCU000000070
U13 U17 U20 U24: library part IC_SiC780
Y1: library part OSC000000012
YO5: library part XTAL_OE1GND2OSC3VDD4

## Via types
v1: diameter 0.6/0.6/0.6/0.6 (per signal layer), hole 0.3, L1 to L4, 1154 vias
v2: diameter 0.45/0.45/0.45/0.45 (per signal layer), hole 0.2, L1 to L4, 463 vias

## Nets (pads, with @x,y where several pads share a name; then routed paths per layer and width w, separated by ;. In a path a pad name is that pad's centre, name@x,y a point inside that pad or via, vN(x,y) a via of type N, cw(c..) or ccw(c..) an arc to the next point about the centre after c; other vN are vias at no path point)
0.9V: C231.1 C232.1 C233.2 R27.1 U1.A21 U29.1 | length 38.2
  L1 w0.3: U1.A21@38.4,22.4 38.8,22 39.905,22
  L1 w0.5: 39.905,22 40.305,22.4 C233.2@41.6,22.4 42.305,21.695 v1(42.305,19.14) ; v1(61.7,25.9) C231.1@63,25.9 63,24.25 ; C232.1@62.5,24.25 63,24.25 ; R27.1@63.9,24.3 R27.1@63.95,24.25 ; U29.1@65.8,24.105 64.095,24.105 R27.1@63.95,24.25 ; 63,24.25 R27.1@63.95,24.25
  L4 w0.5: v1(42.305,19.14) 59.2,19.14 61.7,21.64 v1(61.7,25.9)
1.8V: C16.1 C17.1 C227.2 U1.AA22 U1.C21 U1.G22 U9.1 YO5.1 YO5.4 | length 69.2
  L1 w0.3: 22,21.2 U1.AA22@22.4,21.6 ; U1.G22@33.6,21.6 v2(34,21.2) ; U1.C21@36.8,22.4 v2(37.2,22)
  L1 w0.5: v1(21.4,21.2) 22,21.2 ; YO5.4@43.15,15.4 YO5.1@43.15,17.4 C227.2@45,17.4 ; C227.2@45,17.2 C227.2@45,17.4 ; v1(45.3,20) 45.3,17.7 C227.2@45,17.4 ; v1(62.7,30.6) 63.9,30.6 ; C17.1@63.8,31.85 63.9,31.75 63.9,30.6 ; C16.1@65.6,32.5 65.8,32.3 U9.1@65.8,30.505 63.995,30.505 63.9,30.6
  L4 w0.5: v1(21.4,21.2) 21.4,20.6 22,20 34,20 ; v2(34,21.2) 34,20 ; v2(37.2,22) 37.2,20 ; v1(62.7,30.6) 62.7,28.2 60.8,26.3 60.8,22.1 58.7,20 v1(45.3,20) 37.2,20 ; 34,20 37.2,20